# KiCad board Phoenix_Project_No1-TypeH.kicad_pcb (continued)
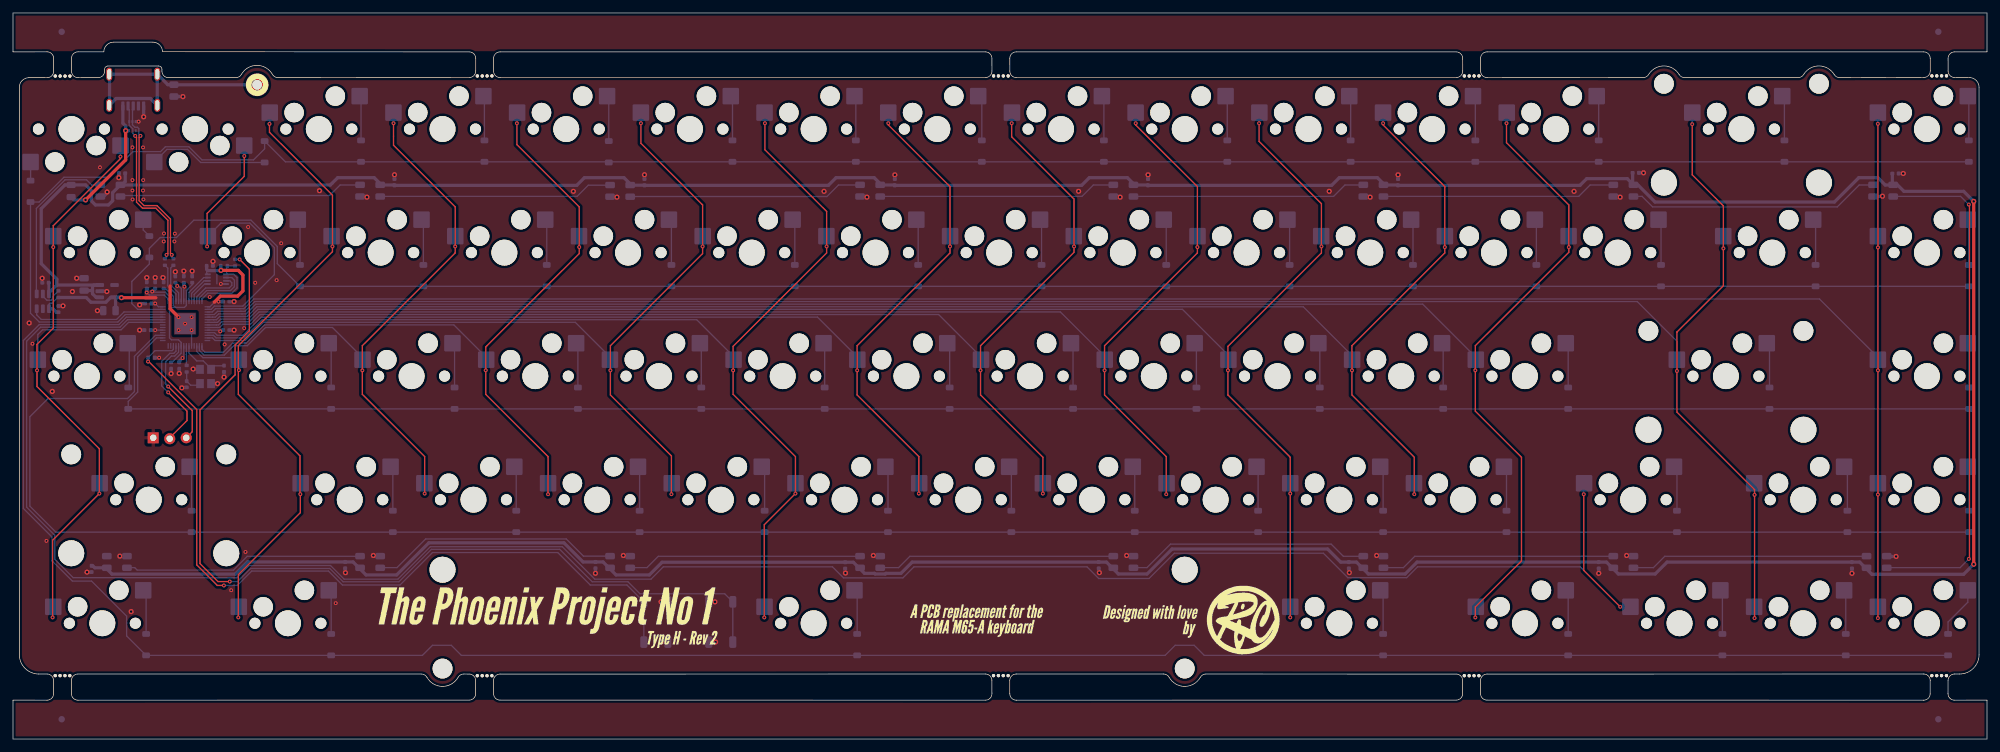
[diagram p0: board, top side]
## Nets
+1V1: C10.1 C11.1 C12.1 U3.23 U3.45 U3.50
+3V3: C1.1 C2.1 C3.1 C4.1 C5.1 C6.1 C8.1 C9.1 C13.1 C14.1 C17.1 C19.1 R4.2 R5.2 R7.1 U1.5 U3.1 U3.10 U3.22 U3.33 U3.42 U3.43 U3.44 U3.48 U3.49 U4.8 U5.1
+5V: C7.1 C18.1 C20.2 C21.2 C22.2 C23.2 C24.2 C25.2 C26.2 C27.2 C28.2 C29.2 C30.2 C31.2 C32.2 C33.2 C34.2 C35.2 D1.1 D2.1 D3.1 D4.1 D5.1 D6.1 D7.1 D8.1 D9.1 D10.1 D11.1 D12.1 D13.1 D14.1 D15.1 D16.1 F1.2 U1.1 U1.3 U5.6
/VBUS: F1.1 J1.1 U2.5
GND: C1.2 C2.2 C3.2 C4.2 C5.2 C6.2 C7.2 C8.2 C9.2 C10.2 C11.2 C12.2 C13.2 C14.2 C15.1 C16.1 C17.2 C18.2 C19.2 C20.1 C21.1 C22.1 C23.1 C24.1 C25.1 C26.1 C27.1 C28.1 C29.1 C30.1 C31.1 C32.1 C33.1 C34.1 C35.1 D1.3 D2.3 D3.3 D4.3 D5.3 D6.3 D7.3 D8.3 D9.3 D10.3 D11.3 D12.3 D13.3 D14.3 D15.3 D16.3 FB1.1 J1.5 J2.1 SW1.2 SW2.2 U1.2 U2.3 U3.19 U3.57 U4.4 Y1.2 Y1.4
GNDPWR: FB1.2 J1.6 J3.1
/D+: J1.3 R3.1 U2.2
/D-: J1.2 R2.1 U2.1
/QSPI_SD0: U3.53 U4.5
/QSPI_SD1: U3.55 U4.2
/QSPI_SD2: U3.54 U4.3
/QSPI_SD3: U3.51 U4.7
/QSPI_SS: R5.1 R6.2 U3.56 U4.1
/RUN: R4.1 SW2.1 U3.26
/SWCLK: J2.3 U3.24
/SWIO: J2.2 U3.25
/USB_BOOT: R6.1 SW1.1
/XIN: C15.2 U3.20 Y1.1
/XOUT: R1.2 U3.21
/~{QSPI_SCLK}: U3.52 U4.6
COL0: SW3.2 SW4.2 SW5.2 SW6.2 SW7.2 U3.36
COL1: SW10.2 SW11.2 U3.2
COL2: SW13.2 SW14.2 SW15.2 SW16.2 SW17.2 U3.17
COL3: SW19.2 SW20.2 SW21.2 SW22.2 U3.16
COL4: SW23.2 SW24.2 SW25.2 SW26.2 U3.15
COL5: SW27.2 SW28.2 SW29.2 SW30.2 U3.13
COL6: SW31.2 SW32.2 SW33.2 SW34.2 SW35.2 U3.12
COL7: SW37.2 SW38.2 SW39.2 SW40.2 U3.11
COL8: SW41.2 SW42.2 SW43.2 SW44.2 U3.9
COL9: SW45.2 SW46.2 SW47.2 SW48.2 U3.8
COL10: SW49.2 SW50.2 SW51.2 SW52.2 SW53.2 U3.7
COL11: SW54.2 SW55.2 SW56.2 SW57.2 U3.6
COL12: SW58.2 SW59.2 SW60.2 SW62.2 U3.5
COL13: SW61.2 SW64.2 U3.37
COL14: SW65.2 SW66.2 SW67.2 SW68.2 SW69.2 U3.4
COL15: SW71.2 SW72.2 SW73.2 SW74.2 SW75.2 U3.3
RGB_IN: U3.40 U5.3
RGB_OUT: D1.4 U5.4
ROW0: D17.1 D22.1 D25.1 D30.1 D34.1 D38.1 D42.1 D47.1 D51.1 D55.1 D59.1 D64.1 D68.1 D75.1 D80.1 U3.39
ROW1: D18.1 D23.1 D26.1 D31.1 D35.1 D39.1 D43.1 D48.1 D52.1 D56.1 D60.1 D65.1 D69.1 D76.1 D81.1 U3.41
ROW2: D19.1 D27.1 D32.1 D36.1 D40.1 D44.1 D49.1 D53.1 D57.1 D61.1 D66.1 D70.1 D77.1 D82.1 U3.30
ROW3: D20.1 D28.1 D33.1 D37.1 D41.1 D45.1 D50.1 D54.1 D58.1 D62.1 D67.1 D71.1 D78.1 D83.1 U3.31
ROW4: D21.1 D29.1 D46.1 D63.1 D72.1 D74.1 D79.1 D84.1 U3.38
Net-(C16-Pad2): C16.2 R1.1 Y1.3
Net-(D1-Pad2): D1.2 D2.4
Net-(D2-Pad2): D2.2 D3.4
Net-(D3-Pad2): D3.2 D4.4
Net-(D4-Pad2): D4.2 D5.4
Net-(D5-Pad2): D5.2 D6.4
Net-(D6-Pad2): D6.2 D7.4
Net-(D7-Pad2): D7.2 D8.4
Net-(D8-Pad2): D8.2 D9.4
Net-(D10-Pad2): D10.2 D11.4
Net-(D10-Pad4): D9.2 D10.4
Net-(D11-Pad2): D11.2 D12.4
Net-(D12-Pad2): D12.2 D13.4
Net-(D13-Pad2): D13.2 D14.4
Net-(D14-Pad2): D14.2 D15.4
Net-(D15-Pad2): D15.2 D16.4
Net-(D17-Pad2): D17.2 SW3.1
Net-(D18-Pad2): D18.2 SW4.1
Net-(D19-Pad2): D19.2 SW5.1
Net-(D20-Pad2): D20.2 SW6.1
Net-(D21-Pad2): D21.2 SW7.1
Net-(D22-Pad2): D22.2 SW10.1
Net-(D23-Pad2): D23.2 SW11.1
Net-(D25-Pad2): D25.2 SW13.1
Net-(D26-Pad2): D26.2 SW14.1
Net-(D27-Pad2): D27.2 SW15.1
Net-(D28-Pad2): D28.2 SW16.1
Net-(D29-Pad2): D29.2 SW17.1
Net-(D30-Pad2): D30.2 SW19.1
Net-(D31-Pad2): D31.2 SW20.1
Net-(D32-Pad2): D32.2 SW21.1
Net-(D33-Pad2): D33.2 SW22.1
Net-(D34-Pad2): D34.2 SW23.1
Net-(D35-Pad2): D35.2 SW24.1
Net-(D36-Pad2): D36.2 SW25.1
Net-(D37-Pad2): D37.2 SW26.1
Net-(D38-Pad2): D38.2 SW27.1
Net-(D39-Pad2): D39.2 SW28.1
Net-(D40-Pad2): D40.2 SW29.1
Net-(D41-Pad2): D41.2 SW30.1
Net-(D42-Pad2): D42.2 SW31.1
Net-(D43-Pad2): D43.2 SW32.1
Net-(D44-Pad2): D44.2 SW33.1
Net-(D45-Pad2): D45.2 SW34.1
Net-(D46-Pad2): D46.2 SW35.1
Net-(D47-Pad2): D47.2 SW37.1
Net-(D48-Pad2): D48.2 SW38.1
Net-(D49-Pad2): D49.2 SW39.1
Net-(D50-Pad2): D50.2 SW40.1
Net-(D51-Pad2): D51.2 SW41.1
Net-(D52-Pad2): D52.2 SW42.1
Net-(D53-Pad2): D53.2 SW43.1
Net-(D54-Pad2): D54.2 SW44.1
Net-(D55-Pad2): D55.2 SW45.1
Net-(D56-Pad2): D56.2 SW46.1
Net-(D57-Pad2): D57.2 SW47.1
Net-(D58-Pad2): D58.2 SW48.1
Net-(D59-Pad2): D59.2 SW49.1
Net-(D60-Pad2): D60.2 SW50.1
Net-(D61-Pad2): D61.2 SW51.1
Net-(D62-Pad2): D62.2 SW52.1
Net-(D63-Pad2): D63.2 SW53.1
Net-(D64-Pad2): D64.2 SW54.1
Net-(D65-Pad2): D65.2 SW55.1
Net-(D66-Pad2): D66.2 SW56.1
Net-(D67-Pad2): D67.2 SW57.1
Net-(D68-Pad2): D68.2 SW58.1
Net-(D69-Pad2): D69.2 SW59.1
Net-(D70-Pad2): D70.2 SW60.1
Net-(D71-Pad2): D71.2 SW61.1
Net-(D72-Pad2): D72.2 SW62.1
Net-(D74-Pad2): D74.2 SW64.1
Net-(D75-Pad2): D75.2 SW65.1
Net-(D76-Pad2): D76.2 SW66.1
Net-(D77-Pad2): D77.2 SW67.1
Net-(D78-Pad2): D78.2 SW68.1
Net-(D79-Pad2): D79.2 SW69.1
Net-(D80-Pad2): D80.2 SW71.1
Net-(D81-Pad2): D81.2 SW72.1
Net-(D82-Pad2): D82.2 SW73.1
Net-(D83-Pad2): D83.2 SW74.1
Net-(D84-Pad2): D84.2 SW75.1
Net-(R2-Pad2): R2.2 U3.46
Net-(R3-Pad2): R3.2 U3.47
Net-(R7-Pad2): R7.2 U5.5

Pads without a net: D16 2; J1 4; U1 4; U2 4; U3 14 18 27 28 29 32 34 35; U4 9; U5 2

## Via types
v1: diameter 0.8, hole 0.4, Top to Bottom, 76 vias
v2: diameter 0.6, hole 0.3, Top to Bottom, 120 vias

## Routing (per net, layer and track width the routed paths; a pad name or vN(x,y) marks a point on that pad's centre or on a via; arc(x,y) is an arc through that point)
+1V1: length 21.1
  Bottom w0.2: 25,66.55 26.4,66.55 26.7,66.85 U3.50 26.7,69.15 27.6,70.05 C12.1 ; 25,66.55 24.4,66.55 24.1,66.25 24.1,61.85 24.4,61.55 25.49,61.55 25.9,61.14 U3.23 25.9,59.48 24.48,58.06 C11.1 ; 25,66.55 24.7,66.85 U3.45 24.7,68.25 23.48,69.47 C10.1 ; C11.1 24.51,58.06 ; C11.1 24.43,58.06
+3V3: length 66.5
  Top w0.5: 31,67.35 31.95,68.3 34.6,68.3 35.4,69.1 35.4,71.55 34.69,72.26 v1(32.02,72.26) ; v1(16.7,68.05) 22,68.05
  Bottom w0.2: v2(21.45,69) 21.56,68.89 23.46,68.89 24.3,68.05 U3.44 ; U5.1 5.55,67.04 5.7,67.19 6,67.19 6.89,68.08 R7.1 ; v2(25.3,69.85) 25,70.15 C13.1 25.92,69.45 25.92,67.51 U3.48 ; v2(21.9,63.05) U3.33 ; U3.42 22.4,66.65 v2(21.9,67.15) ; U3.49 26.3,69.65 v2(26.4,69.75) ; U4.8 29.82,71.83 29.82,72.43 ; v2(31.65,67.45) 31.14,67.45 30.34,66.65 U3.1 ; U3.10 31.73,63.05 v2(31.92,62.86) ; v2(26.1,58.75) 26.3,58.95 U3.22 ; v2(20.6,68.85) 21,68.45 23.3,68.45 23.9,67.85 U3.43
  Bottom w0.5: R5.2 31.99,72.29 v1(32.02,72.26) 31.97,72.22 30.03,72.22 29.82,72.43 C17.1 ; C4.1 v2(31.65,67.45) ; 25.6,58.15 C3.1 25.6,58.25 v2(26.1,58.75) ; C6.1 26.3,69.85 v2(26.4,69.75) ; U1.5 16.65,68.1 v1(16.7,68.05) ; U1.5 15.05,68.1 14.3,67.35 12,67.35 11.27,68.08 R7.1 ; U1.5 15.8,67.94 C8.1 ; C2.1 v2(21.9,67.15) ; R4.2 v2(22.5,58.8) ; C14.1 v2(20.6,68.85) ; U5.1 6.14,66.35 6.68,65.81 C19.1 ; C5.1 32.2,63.05 32.03,62.88 31.94,62.88 v2(31.92,62.86) ; C1.1 v2(21.9,63.05) ; C9.1 21.9,69.45 v2(21.45,69)
+5V: length 708.7
  Top w0.5: v1(301.95,26.95) v1(301.95,82.9)
  Bottom w0.5: 205.8,27.28 206.9,27.28 208.72,25.45 214.4,25.45 216.23,27.28 245.4,27.28 247.22,25.45 252.9,25.45 254.73,27.28 284.39,27.28 286.27,25.4 300.4,25.4 v1(301.95,26.95) ; 12.25,69.1 12.2,69.15 C7.1 ; 12.25,69.1 12.25,69.8 12.45,70 U1.3 6.76,70 ; 12.25,69.1 12.25,68.65 12.8,68.1 U1.1 ; C35.2 12.28,26.71 12.59,26.4 ; 6.76,70 5.55,68.79 U5.6 5.55,70.28 C18.1 ; 6.76,70 6.76,70.89 4.35,73.3 4.35,81.78 8,85.44 F1.2 11.19,85.44 12.07,84.55 12.07,82.98 12.7,82.35 14.7,82.35 15.35,83 15.35,84.25 D1.1 ; D7.1 248.6,86.4 242.35,86.4 241.32,85.37 C25.2 213.25,85.42 211.25,85.42 210.12,86.55 204.25,86.55 203.07,85.37 C24.2 174.75,85.42 172.75,85.42 171.62,86.55 165.75,86.55 164.57,85.37 C23.2 135.75,85.42 133.75,85.42 132.62,86.55 126.75,86.55 125.57,85.37 C22.2 97.22,85.39 95.25,85.39 94.09,86.55 88,86.55 86.82,85.37 C21.2 58.7,85.42 56.75,85.42 55.62,86.55 50,86.55 48.88,85.42 16.75,85.42 17.28,85.95 17.28,87.2 ; C30.2 204.47,27.28 202.45,29.3 178.5,29.3 174.65,25.45 170.22,25.45 168.4,27.28 138.48,27.28 136.75,25.55 134.44,25.55 134.34,25.45 132.76,25.45 132.66,25.55 131.12,25.55 129.42,27.26 99.96,27.26 98,25.3 92.88,25.3 90.88,27.3 89.8,27.3 ; v1(301.95,82.9) 300.4,84.45 291.2,84.45 290.2,85.45 D8.1 ; C27.2 289.42,85.75 289.75,85.42 288.32,85.42 287.2,86.55 284.25,86.55 280.5,82.8 252.88,82.8 250.25,85.42 249.75,85.42 249.42,85.75 C26.2 ; 14.25,26.42 15.25,25.43 34.24,25.43 36.11,27.3 52.38,27.3 54.38,25.3 59.09,25.3 64.04,30.25 84.85,30.25 87.8,27.3 C33.2 ; 12.64,26.4 14.22,26.4
/VBUS: length 20
  Top w0.5: v1(17.35,93.8) 17.35,89.3 v1(11.18,83.12)
  Bottom w0.5: F1.1 9.39,83.12 v1(11.18,83.12) ; J1.1 16.92,94.95 17.35,94.52 v1(17.35,93.8) 17.75,93.8
GND: length 72.4
  Top w0.5: v2(25.5,65.05) 24.2,66.35 24.2,69.85
  Bottom w0.2: U3.19 v2(27.5,63.05) ; U4.4 32.15,70.15 32.05,70.25
  Bottom w0.5: SW1.2 v1(108.2,14.95) ; 172.75,28.17 171.62,28.17 v1(171.5,28.3) ; v1(54.5,83.55) 54.38,83.67 53.25,83.67 ; C21.1 v1(58.75,87) ; 17.75,28.17 16.48,28.17 v1(16.45,28.2) ; v1(14.45,69) 14.4,69.05 U1.2 ; C34.1 51.16,25.69 v1(51.2,25.65) ; v1(99.8,21.15) SW2.2 ; v1(99.8,14.95) SW2.2 ; C25.1 v1(213.3,87) ; C5.2 v1(34.05,63.05) ; C12.2 v1(27.6,72.15) ; C15.1 v1(32.5,55.8) ; C16.1 26.07,54.22 v1(26,54.15) ; v2(26.5,64.05) v2(25.5,63.05) ; v2(26.5,64.05) v2(27.5,65.05) ; v2(26.5,64.05) v2(25.5,65.05) ; v2(26.5,64.05) v2(27.5,63.05) ; 95.25,28.17 94.12,28.17 v1(94,28.3) ; C33.1 v1(89.7,25.55) ; 288.75,28.17 288.77,28.15 v1(290,28.15) ; 133.75,28.17 132.62,28.17 v1(132.5,28.3) ; v1(4.5,71.05) 4.52,71.03 C18.2 ; v1(34.05,67.45) C4.2 ; J1.5 v1(20.12,95.94) ; 249.75,28.17 248.62,28.17 v1(248.5,28.3) ; v1(167.3,25.65) 167.21,25.74 C31.1 ; v1(23.1,71.15) 23.2,71.05 C10.2 ; v1(131.5,83.55) 131.38,83.67 130.25,83.67 ; 286.25,83.67 287.88,83.67 v1(287.9,83.7) ; C14.2 v1(20.6,71.15) ; v2(19.35,95.2) 19,95.2 ; 211.25,28.17 210.12,28.17 v1(210,28.3) ; C28.1 v1(283.2,25.55) ; v1(93,83.55) 92.91,83.64 91.75,83.64 ; C30.1 205.72,25.74 v1(205.8,25.66) ; v1(26.17,99.05) 26.15,99.07 FB1.1 ; v1(55.5,28.3) 55.62,28.17 56.75,28.17 ; D1.3 13.95,83.65 14.5,84.2 v1(14.5,84.35) ; 246.25,83.67 247.38,83.67 v1(247.5,83.55) ; C24.1 v1(174.8,87) ; C32.1 128.16,25.64 v1(128.2,25.59) ; C17.2 30.78,73.63 v1(30.8,73.65) ; v1(27.75,57.05) 27.8,57 Y1.4 ; v1(7.7,66.79) 7.68,66.77 C19.2 ; v1(209,83.55) 208.88,83.67 207.75,83.67 ; 24.35,57.07 v1(24.35,56.35) ; C7.2 v1(9.8,71.05) ; C20.1 16.3,87.23 v1(16.3,86.55) ; C27.1 v1(291.1,87.2) ; Y1.2 v1(31.5,54.8) ; C29.1 v1(244.2,25.55) ; C35.1 12.08,25.73 v1(11.4,25.73) ; C22.1 v1(97.25,87) ; 169.25,83.67 170.38,83.67 v1(170.5,83.55) ; C6.2 v1(26.3,72.15) ; C9.2 v1(21.9,71.15) ; C8.2 v1(13,66.05) ; v1(19.5,66.95) 19.7,67.15 C2.2 ; SW1.2 v1(108.1,21.15) ; C3.2 v1(25.6,56.38) ; C1.2 v1(19.5,63.05) ; C26.1 v1(251.1,87.3) ; C23.1 v1(135.8,87) ; C13.2 v1(25,72.05)
  vias: v1(2.5,64.15) v1(6.05,53.6) v1(9.15,69) v1(18.2,19.65) v1(47.2,84.55) v1(86.3,84.45) v1(124.9,84.45) v1(164.1,84.45) v1(202.7,84.45) v1(240.4,84.45) v2(3,60.95) v2(5.15,30.55) v2(13.4,88.15) v2(18.4,91.22) v2(18.4,86.17) v2(18.4,84.58) v2(18.43,83.2) v2(20.02,91.22) v2(20.02,84.58) v2(20.05,86.17) v2(20.07,83.2) v2(23.25,77.95) v2(23.23,76.72) v2(24.85,76.73) v2(24.93,77.92) v2(30.3,68.15) v2(32.02,70.17) v2(32.6,60.85) v2(33.6,22.95) v2(35.6,63.35) v2(35.8,28.85) v2(36.2,78.95) v2(37.3,70.35) v2(40.6,70.75) v2(41.3,76.45) v2(49.7,20.95)
GNDPWR: length 41.3
  Bottom w0.5: 22.17,102.51 14.87,102.51 14.87,97.76 J1.6 15.87,98.76 21.17,98.76 J1.6 ; 22.17,102.51 J1.6 23.84,100.89 FB1.2 24.8,100.88 J3.1 ; 22.17,102.51 22.22,102.46 22.22,97.76
/D+: length 27.8
  Top w0.2: v2(19.63,93) 19.43,92.8 19.43,83 20.18,82.25 22.16,82.25 24.25,80.17 24.25,74.85 v2(24.45,74.65)
  Bottom w0.2: R3.1 24.45,74.31 v2(24.45,74.65) ; v2(19.63,93) 19.38,93.25 19.38,94.12 19.18,94.33 18.77,94.33 18.4,94.7 U2.2 18.4,97.09 18.52,97.21 J1.3
/D-: length 27.5
  Top w0.2: v2(18.83,92.99) 19.03,92.79 19.03,82.77 19.95,81.85 22,81.85 23.85,80 23.85,74.85 v2(23.65,74.65)
  Bottom w0.2: v2(23.65,74.65) 23.65,74.31 R2.1 ; v2(18.83,92.99) 18.45,93.36 18.45,94.09 17.9,94.64 U2.1 17.9,97.03 17.72,97.21 J1.2
/QSPI_SD0: length 3.8
  Bottom w0.2: U4.5 29.5,70.15 27.9,68.55 U3.53
/QSPI_SD1: length 9.1
  Bottom w0.2: U3.55 28.7,68.02 29.83,69.15 33.5,69.15 34.1,69.75 34.1,70.75 33.7,71.15 U4.2
/QSPI_SD2: length 8.3
  Bottom w0.2: U4.3 33.4,70.65 33.7,70.35 33.7,69.95 33.3,69.55 29.67,69.55 28.3,68.18 U3.54
/QSPI_SD3: length 5.2
  Bottom w0.2: U4.7 29.37,71.15 27.1,68.88 U3.51
/QSPI_SS: length 12.6
  Bottom w0.2: U3.56 29.1,67.85 30,68.75 33.7,68.75 34.5,69.55 34.5,71.15 34,71.65 U4.1 32.9,71.75 32.9,72.84 R5.1 34.19,72.95 R6.2
/RUN: length 123.5
  Top w0.2: v2(20.8,58.2) 20.9,58.2 28.3,50.8 28.3,26.85 31.47,23.68 v2(32.48,23.68)
  Bottom w0.2: v2(20.8,58.2) 20.79,58.21 R4.1 21.87,59.88 24.49,59.88 24.7,60.08 U3.26 ; SW2.1 SW2.1 94.55,23.75 88.9,23.75 83.9,28.75 64.6,28.75 59.6,23.75 50.74,23.75 48.59,25.9 36.77,25.9 34.55,23.68 32.48,23.68 v2(32.48,23.68)
/SWCLK: length 17.4
  Top w0.2: v2(23.9,54.35) 27.6,50.65 27.6,47.37 J2.3
  Bottom w0.2: U3.24 25.5,59.65 24.9,59.05 24.4,59.05 23.5,58.15 23.5,54.75 v2(23.9,54.35)
/SWIO: length 18.1
  Top w0.2: 24.14,46.45 26.8,49.11 26.8,50.55 v2(23.9,53.45)
  Bottom w0.2: U3.25 25.1,59.81 24.77,59.48 24.16,59.48 22.9,58.21 22.9,54.45 v2(23.9,53.45)
/USB_BOOT: length 148.2
  Top w0.2: v2(34.9,73.95) 36.4,72.45 36.4,62.95 34.2,60.75 34.2,56.15 28.8,50.75 28.8,27.05 31.57,24.28 v2(33.38,24.28)
  Bottom w0.2: v2(34.9,73.95) 34.21,73.95 R6.1 ; 110.85,14.65 SW1.1 109.6,22.4 96.55,22.4 94.7,24.25 89.2,24.25 84.2,29.25 64.43,29.25 59.44,24.25 50.84,24.25 48.79,26.3 36.6,26.3 34.58,24.28 v2(33.38,24.28)
/XIN: length 7.8
  Bottom w0.2: U3.20 27.1,59.5 28.3,58.3 29.3,58.3 30.5,57.1 Y1.1 31.05,57.55 32.47,57.55 C15.2
/XOUT: length 3
  Bottom w0.2: U3.21 26.7,59.3 26.7,59.3 26.7,57.66 R1.2
/~{QSPI_SCLK}: length 4.5
  Bottom w0.2: U3.52 27.5,68.71 29.44,70.65 U4.6
COL0: length 115.6
  Top w0.2: v2(6.1,18.75) 6.1,30.65 v2(13.3,37.85) 13.3,44.75 3.7,54.35 v2(3.7,56.85) 3.7,60.85 6.2,63.35 v2(6.2,75.85) 6.2,79.15 16.55,89.5 v2(16.55,89.8)
  Bottom w0.2: U3.36 17.8,64.25 16.65,63.1 4.55,63.1 3.82,62.37 SW5.2 3.7,58.37 v2(3.7,56.85) ; v2(6.1,18.75) 6.1,20.29 SW7.2 ; v2(6.2,75.85) 6.2,77.54 SW4.2 ; SW3.2 16.56,89.81 v2(16.55,89.8) ; v2(13.3,37.85) 13.3,39.39 SW6.2
COL1: length 48.9
  Top w0.2: v2(35.62,89.9) 35.62,86.77 29.9,81.05 v2(29.9,75.95)
  Bottom w0.2: v2(29.9,75.95) 29.9,77.42 SW11.2 32.02,79.55 36.48,79.55 40.25,75.78 40.25,71.6 35.4,66.75 31.02,66.75 30.52,66.25 U3.2 ; v2(35.62,89.9) 35.61,89.91 SW10.2
COL2: length 110.4
  Top w0.2: v2(39.5,94.85) 39.5,93.55 49.2,83.85 v2(49.2,75.95) 49.2,75.15 34.7,60.65 34.7,56.99 v2(34.8,56.89) 34.7,56.79 34.7,53.15 44.2,43.65 44.2,37.81 v2(44.25,37.76) 44.25,34.9 34.7,25.35 v2(34.7,18.75)
  Bottom w0.2: v2(49.2,75.95) 49.2,77.41 SW14.2 ; SW17.2 34.7,20.31 v2(34.7,18.75) ; v2(44.25,37.76) 44.25,39.39 SW16.2 ; U3.17 28.3,59.75 29.25,58.8 34.47,58.8 SW15.2 34.78,56.91 v2(34.8,56.89) ; SW13.2 39.54,94.89 v2(39.5,94.85)
COL3: length 107.6
  Top w0.2: v2(58.6,94.95) 58.6,91.55 68.1,82.05 v2(68.1,75.95) 68.1,74.95 53.8,60.65 v2(53.8,56.85) 53.8,53.15 63.4,43.55 v2(63.4,37.85)
  Bottom w0.2: v2(58.6,94.95) 58.59,94.96 SW19.2 ; SW22.2 63.4,39.39 v2(63.4,37.85) ; U3.16 28.7,59.91 29.41,59.2 32.55,59.2 34,60.65 36.08,60.65 38.89,63.46 49.19,63.46 53.83,58.82 SW21.2 53.8,58.46 v2(53.8,56.85) ; v2(68.1,75.95) 68.1,77.53 68.12,77.54
COL4: length 126.5
  Top w0.2: v2(82.4,37.75) 82.4,43.55 72.8,53.15 v2(72.8,56.85) 72.8,60.45 87.2,74.85 v2(87.2,75.85) 87.2,82.05 77.6,91.65 v2(77.6,94.95)
  Bottom w0.2: v2(82.4,37.75) 82.4,39.44 SW26.2 ; SW24.2 87.2,77.5 v2(87.2,75.85) ; v2(77.6,94.95) 77.64,94.99 SW23.2 ; v2(72.8,56.85) 72.8,58.41 SW25.2 72.85,58.52 72.85,58.9 67.9,63.85 38.72,63.85 35.92,61.05 35.7,61.05 35.69,61.05 33.83,61.05 32.42,59.65 29.55,59.65 29.1,60.1 U3.15
COL5: length 143.5
  Top w0.2: v2(101.4,37.75) 101.4,43.65 92,53.05 v2(92,56.85) 92,60.65 106.2,74.85 v2(106.2,75.95) 106.2,82.35 96.7,91.85 v2(96.7,94.95)
  Bottom w0.2: SW27.2 96.69,94.96 v2(96.7,94.95) ; v2(101.4,37.75) 101.4,39.39 SW30.2 ; v2(92,56.85) 92,58.42 SW29.2 91.93,58.92 86.6,64.25 38.55,64.25 35.75,61.45 35.18,61.45 31.12,61.45 30.72,61.85 U3.13 ; v2(106.2,75.95) 106.2,77.53 SW28.2
COL6: length 185.5
  Top w0.2: v2(115.7,18.75) 115.7,33.05 v2(120.5,37.85) 120.5,43.55 110.9,53.15 v2(110.9,56.85) 110.9,60.55 125.3,74.95 v2(125.3,75.95) 125.3,81.35 115.8,90.85 v2(115.8,94.95)
  Bottom w0.2: v2(115.7,18.75) 115.7,20.35 SW35.2 ; v2(125.3,75.95) 125.3,77.5 SW32.2 ; v2(110.9,56.85) 110.9,58.41 SW33.2 110.98,58.97 105.3,64.65 38.39,64.65 35.59,61.85 34.96,61.85 31.29,61.85 30.89,62.25 U3.12 ; v2(120.5,37.85) 120.5,39.44 SW34.2 ; v2(115.8,94.95) 115.74,95.01 SW31.2
COL7: length 181.8
  Top w0.2: v2(134.8,94.95) 134.8,94.68 144.3,85.18 v2(144.3,75.95) 144.3,74.95 130,60.65 v2(130,56.85) 130,53.05 139.5,43.55 v2(139.5,37.85)
  Bottom w0.2: v2(130,56.85) 130,58.46 SW39.2 130.03,58.92 123.9,65.05 38.22,65.05 35.42,62.25 31.45,62.25 31.05,62.65 U3.11 ; SW38.2 144.3,77.53 v2(144.3,75.95) ; SW40.2 139.5,39.39 v2(139.5,37.85) ; v2(134.8,94.95) 134.79,94.96 SW37.2
COL8: length 200.6
  Top w0.2: v2(153.8,94.95) 153.8,92.85 163.4,83.25 v2(163.4,75.95) 163.4,75.05 149,60.65 v2(149,56.85) 149,53.05 158.6,43.45 v2(158.6,37.85)
  Bottom w0.2: SW44.2 158.6,39.44 v2(158.6,37.85) ; v2(149,56.85) 149,58.41 SW43.2 149.08,58.92 142.55,65.45 38.06,65.45 36.56,63.95 35.93,63.95 35.93,63.95 32.32,63.95 31.83,63.45 31.48,63.45 31.47,63.45 U3.9 ; SW41.2 153.84,94.99 v2(153.8,94.95) ; SW42.2 163.4,77.5 v2(163.4,75.95)
COL9: length 220.1
  Top w0.2: v2(177.6,37.75) 177.6,43.55 168.1,53.05 v2(168.1,56.85) 168.1,60.65 182.4,74.95 v2(182.4,75.85) 182.4,85.18 172.9,94.68 v2(172.9,94.95)
  Bottom w0.2: U3.8 31.31,63.85 31.31,63.85 31.66,63.85 32.16,64.35 35.76,64.35 35.76,64.35 36.39,64.35 37.89,65.85 161.3,65.85 168.13,59.02 SW47.2 168.1,58.46 v2(168.1,56.85) ; SW48.2 177.6,39.39 v2(177.6,37.75) ; SW45.2 172.89,94.96 v2(172.9,94.95) ; v2(182.4,75.85) 182.4,77.53 SW46.2
COL10: length 260
  Top w0.2: v2(191.9,94.95) 191.9,92.15 201.5,82.55 v2(201.5,75.95) 201.5,74.95 187.1,60.55 v2(187.1,56.85) 187.1,53.05 196.7,43.45 v2(196.7,37.85) v2(196.7,18.75)
  Bottom w0.2: SW49.2 191.94,94.99 v2(191.9,94.95) ; SW52.2 196.7,39.44 v2(196.7,37.85) ; U3.7 31.07,64.25 31.07,64.25 31.5,64.25 31.99,64.75 35.6,64.75 35.6,64.75 36.23,64.75 37.73,66.25 180.1,66.25 187.18,59.17 SW51.2 187.1,58.41 v2(187.1,56.85) ; v2(196.7,18.75) 196.7,20.39 SW53.2 ; v2(201.5,75.95) 201.5,77.5 SW50.2
COL11: length 258.6
  Top w0.2: v2(211,94.95) 211,94.68 220.5,85.18 v2(220.5,75.85) 220.5,74.95 206.2,60.65 v2(206.2,56.85) 206.2,53.05 215.8,43.45 v2(215.8,37.75)
  Bottom w0.2: v2(206.2,56.85) 206.2,58.46 SW56.2 206.23,59.12 198.7,66.65 37.56,66.65 36.06,65.15 35.43,65.15 35.43,65.15 31.83,65.15 31.33,64.65 30.91,64.65 U3.6 ; v2(220.5,75.85) 220.5,77.53 SW55.2 ; v2(215.8,37.75) 215.8,39.39 SW57.2 ; SW54.2 210.99,94.96 v2(211,94.95)
COL12: length 298.7
  Top w0.2: v2(230,94.95) 230,91.95 239.6,82.35 v2(239.6,75.85) 239.6,75.05 225.2,60.65 v2(225.2,56.85) 225.2,50.55 232.31,43.44 232.31,27.46 225.2,20.35 v2(225.2,18.75)
  Bottom w0.2: v2(225.2,18.75) 225.2,20.31 SW62.2 ; SW59.2 239.6,77.5 v2(239.6,75.85) ; U3.5 30.74,65.05 31.16,65.05 31.66,65.55 35.27,65.55 35.27,65.55 35.9,65.55 37.4,67.05 217.1,67.05 225.28,58.87 SW60.2 225.2,58.41 v2(225.2,56.85) ; SW58.2 230.04,94.99 v2(230,94.95)
COL13: length 338.1
  Top w0.2: v2(241.9,37.75) 241.9,26 v2(247.51,20.39)
  Bottom w0.2: U3.37 17.63,64.65 16.48,63.5 4.25,63.5 2.1,61.35 2.1,35.75 6.45,31.4 6.45,27.7 9.27,24.88 34.47,24.88 34.51,24.92 36.34,26.75 48.9,26.75 51,24.65 59.27,24.65 64.27,29.65 84.6,29.65 89.6,24.65 98.25,24.65 100.15,26.55 126.2,26.55 127.9,24.85 137.05,24.85 138.75,26.55 165.4,26.55 167.2,24.75 174.95,24.75 178.85,28.65 201.8,28.65 205.57,24.88 214.63,24.88 216.3,26.55 241.35,26.55 v2(247.51,20.39) SW64.2 ; v2(241.9,37.75) 241.9,39.39 SW61.2
COL14: length 327.6
  Top w0.2: v2(268.2,18.65) v2(268.2,37.65) 268.2,38.45 256.25,50.4 v2(256.25,56.75) 256.25,62.75 263.4,69.9 v2(263.4,75.65) 263.4,82.2 258.6,87 v2(258.6,94.8)
  Bottom w0.2: v2(268.2,18.65) 268.2,20.33 SW69.2 ; SW68.2 268.2,39.38 v2(268.2,37.65) ; SW65.2 258.62,94.81 v2(258.6,94.8) ; v2(256.25,56.75) 256.25,58.47 SW67.2 256.23,61.35 250.13,67.45 37.23,67.45 35.73,65.95 35.1,65.95 35.1,65.95 31.5,65.95 31,65.45 U3.4 ; v2(263.4,75.65) 263.4,77.52 SW66.2
COL15: length 347
  Top w0.2: v2(287.2,18.65) v2(287.2,37.7) v2(287.2,56.85) v2(287.2,75.8) 287.2,94.85 v2(287.19,94.86)
  Bottom w0.2: SW75.2 287.2,20.38 v2(287.2,18.65) ; SW71.2 v2(287.19,94.86) ; U3.3 30.69,65.85 31.19,66.35 34.94,66.35 35.57,66.35 37.06,67.85 278.2,67.85 287.19,58.86 SW73.2 287.2,58.48 v2(287.2,56.85) ; SW74.2 287.2,39.43 v2(287.2,37.7) ; v2(287.2,75.8) 287.2,77.53 SW72.2
RGB_IN: length 21.1
  Bottom w0.2: U5.3 3.65,65.4 4.35,64.7 15.95,64.7 17.1,65.85 U3.40
RGB_OUT: length 24.9
  Bottom w0.2: 13.25,85.42 12.12,85.42 11.32,86.22 8.01,86.22 3.6,81.81 3.6,68.67
ROW0: length 344.7
  Bottom w0.2: U3.39 17.3,65.45 16.15,64.3 4.05,64.3 2.7,65.65 D17.1 4.03,82.8 7.85,86.62 14.53,86.62 18.48,90.57 22.72,90.57 23.47,91.32 27.08,91.32 29.1,89.3 37.05,89.3 38.75,91 D22.1 41.95,89 D25.1 D30.1 91.65,89 D34.1 91.85,89 D38.1 D42.1 D47.1 D51.1 D55.1 D59.1 D64.1 D68.1 D75.1 D80.1
ROW1: length 302.5
  Bottom w0.2: D81.1 D76.1 D69.1 D65.1 D60.1 D56.1 D52.1 D48.1 D43.1 D39.1 D35.1 D31.1 D26.1 D23.1 40.7,73.3 40.7,75.95 36.65,80 27.85,80 25.17,77.33 22.68,77.33 21,75.65 D18.1 21,73.25 18.3,70.55 18.3,67.15 19.2,66.25 U3.41
ROW2: length 297.2
  Bottom w0.2: U3.30 22.1,61.85 19.2,58.95 19.2,53.5 17.75,52.05 D19.1 D27.1 D32.1 D36.1 D40.1 D44.1 D49.1 D53.1 D57.1 D61.1 D66.1 D70.1 D77.1 D82.1
ROW3: length 343
  Bottom w0.2: U3.31 21.94,62.25 18.7,59.01 18.7,53.56 17.64,52.5 5.4,52.5 2.6,49.7 2.6,35.9 6.6,31.9 D20.1 D28.1 D33.1 D37.1 D41.1 D45.1 D50.1 D54.1 D58.1 D62.1 D67.1 D71.1 D78.1 D83.1
ROW4: length 361.1
  Bottom w0.2: U3.38 17.46,65.05 16.31,63.9 4.05,63.9 1.6,61.45 1.6,35.55 6,31.15 6,27.5 9.15,24.35 12.1,24.35 17.5,18.95 17.5,15.9 D21.1 D29.1 63.05,12.9 64.6,14.45 67.5,14.45 69.05,12.9 D46.1 177.43,12.9 178.97,14.45 181.9,14.45 183.45,12.9 D63.1 D72.1 D74.1 D79.1 D84.1
Net-(C16-Pad2): length 3.8
  Bottom w0.2: R1.1 C16.2 27.38,54.55 28.55,54.55 Y1.3
Net-(D1-Pad2): length 37.2
  Bottom w0.2: 53.25,85.42 50.38,85.42 48.75,83.8 16.88,83.8 16.75,83.67
Net-(D2-Pad2): length 35.7
  Bottom w0.2: 56.75,83.67 86.88,83.67 88.59,85.39 91.75,85.39
Net-(D3-Pad2): length 35.7
  Bottom w0.2: 95.25,83.64 125.34,83.64 127.12,85.42 130.25,85.42
Net-(D4-Pad2): length 36.2
  Bottom w0.2: 169.25,85.42 166.38,85.42 164.62,83.67 133.75,83.67
Net-(D5-Pad2): length 35.7
  Bottom w0.2: 172.75,83.67 203.38,83.67 205.12,85.42 207.75,85.42
Net-(D6-Pad2): length 35.7
  Bottom w0.2: 246.25,85.42 242.88,85.42 241.12,83.67 211.25,83.67
Net-(D7-Pad2): length 38.6
  Bottom w0.2: 249.75,83.67 250.88,83.67 252.5,82.05 280.94,82.05 284.31,85.42 286.25,85.42
Net-(D8-Pad2): length 79.7
  Top w0.2: v2(301.2,82.41) 301.3,82.3 301.3,27.87 v2(301.2,27.77)
  Bottom w0.2: 288.75,26.42 299.86,26.42 v2(301.2,27.77) ; v2(301.2,82.41) 299.93,83.67 289.75,83.67
Net-(D10-Pad2): length 35.7
  Bottom w0.2: 211.25,26.42 214.12,26.42 215.88,28.17 246.25,28.17
Net-(D10-Pad4): length 36.2
  Bottom w0.2: 249.75,26.42 252.62,26.42 254.38,28.17 285.25,28.17
Net-(D11-Pad2): length 37.3
  Bottom w0.2: 207.75,28.17 204.88,28.17 203,30.05 178.25,30.05 174.62,26.42 172.75,26.42
Net-(D12-Pad2): length 36.2
  Bottom w0.2: 169.25,28.17 138.12,28.17 136.38,26.42 133.75,26.42
Net-(D13-Pad2): length 35.7
  Bottom w0.2: 95.25,26.42 97.62,26.42 99.38,28.17 130.25,28.17
Net-(D14-Pad2): length 38.1
  Bottom w0.2: D14.2 87.85,28.2 85.2,30.85 63.55,30.85 59.12,26.42 56.75,26.42
Net-(D15-Pad2): length 36.5
  Bottom w0.2: 17.75,26.42 18.75,26.42 19.12,26.05 33.95,26.05 36.08,28.17 53.25,28.17
Net-(D17-Pad2): length 2.9
  Bottom w0.2: SW3.1 2.71,86.21 2.6,86.1
Net-(D18-Pad2): length 2.9
  Bottom w0.2: D18.2 20.05,78.5 SW4.1
Net-(D19-Pad2): length 7
  Bottom w0.2: D19.2 17.9,54.35 17.9,60.8 SW5.1
Net-(D20-Pad2): length 6.9
  Bottom w0.2: D20.2 27.5,41.68 SW6.1
Net-(D21-Pad2): length 6.9
  Bottom w0.2: SW7.1 20.5,22.48 D21.2
Net-(D22-Pad2): length 18.6
  Bottom w0.2: SW10.1 23.71,90.92 26.88,90.92 28.9,88.9 D22.2
Net-(D23-Pad2): length 7.1
  Bottom w0.2: D23.2 44.2,79.75 SW11.1
Net-(D25-Pad2): length 6.9
  Bottom w0.2: D25.2 53.6,98.92 SW13.1
Net-(D26-Pad2): length 7.1
  Bottom w0.2: SW14.1 63.2,79.8 D26.2
Net-(D27-Pad2): length 7
  Bottom w0.2: D27.2 49,60.66 SW15.1
Net-(D28-Pad2): length 6.9
  Bottom w0.2: SW16.1 58.5,41.63 D28.2
Net-(D29-Pad2): length 6.9
  Bottom w0.2: D29.2 49,22.56 SW17.1
Net-(D30-Pad2): length 7
  Bottom w0.2: SW19.1 72.6,98.97 72.6,92.2
Net-(D31-Pad2): length 7.1
  Bottom w0.2: SW20.1 82.2,79.84 D31.2
Net-(D32-Pad2): length 7
  Bottom w0.2: SW21.1 68,60.71 D32.2
Net-(D33-Pad2): length 6.9
  Bottom w0.2: SW22.1 77.5,41.68 D33.2
Net-(D34-Pad2): length 7
  Bottom w0.2: D34.2 91.75,98.87 SW23.1
Net-(D35-Pad2): length 7.1
  Bottom w0.2: D35.2 101.4,79.69 SW24.1
Net-(D36-Pad2): length 6.9
  Bottom w0.2: SW25.1 87,60.76 D36.2
Net-(D37-Pad2): length 6.9
  Bottom w0.2: SW26.1 96.5,41.73 D37.2
Net-(D38-Pad2): length 6.9
  Bottom w0.2: D38.2 110.8,98.87 SW27.1
Net-(D39-Pad2): length 7.1
  Bottom w0.2: D39.2 120.4,79.75 120.06,80.08
Net-(D40-Pad2): length 6.9
  Bottom w0.2: SW29.1 106,60.81 D40.2
Net-(D41-Pad2): length 7
  Bottom w0.2: D41.2 115.75,41.53 SW30.1
Net-(D42-Pad2): length 6.9
  Bottom w0.2: SW31.1 129.8,98.92 D42.2
Net-(D43-Pad2): length 7.1
  Bottom w0.2: D43.2 139.4,79.8 SW32.1
Net-(D44-Pad2): length 6.9
  Bottom w0.2: SW33.1 125,60.86 D44.2
Net-(D45-Pad2): length 6.9
  Bottom w0.2: SW34.1 134.75,41.58 D45.2
Net-(D46-Pad2): length 6.9
  Bottom w0.2: D46.2 130,22.52 SW35.1
Net-(D47-Pad2): length 7.1
  Bottom w0.2: SW37.1 149.2,98.57 D47.2
Net-(D48-Pad2): length 7.1
  Bottom w0.2: SW38.1 158.4,79.84 D48.2
Net-(D49-Pad2): length 7
  Bottom w0.2: SW39.1 144.25,60.66 D49.2
Net-(D50-Pad2): length 6.9
  Bottom w0.2: SW40.1 153.75,41.63 D50.2
Net-(D51-Pad2): length 7
  Bottom w0.2: D51.2 168,98.82 SW41.1
Net-(D52-Pad2): length 7.1
  Bottom w0.2: D52.2 177.6,79.69 SW42.1
Net-(D53-Pad2): length 7
  Bottom w0.2: SW43.1 163.25,60.71 D53.2
Net-(D54-Pad2): length 6.9
  Bottom w0.2: SW44.1 172.75,41.68 D54.2
Net-(D55-Pad2): length 6.9
  Bottom w0.2: SW45.1 187,98.87 D55.2
Net-(D56-Pad2): length 7.1
  Bottom w0.2: D56.2 196.6,79.75 SW46.1
Net-(D57-Pad2): length 6.9
  Bottom w0.2: D57.2 182.25,60.76 SW47.1
Net-(D58-Pad2): length 6.9
  Bottom w0.2: D58.2 191.75,41.73 SW48.1
Net-(D59-Pad2): length 6.9
  Bottom w0.2: SW49.1 206,98.92 D59.2
Net-(D60-Pad2): length 7.1
  Bottom w0.2: SW50.1 215.6,79.8 D60.2
Net-(D61-Pad2): length 6.9
  Bottom w0.2: SW51.1 201.25,60.81 D61.2
Net-(D62-Pad2): length 7
  Bottom w0.2: SW52.1 211,41.53 D62.2
Net-(D63-Pad2): length 6.9
  Bottom w0.2: D63.2 211,22.48 SW53.1
Net-(D64-Pad2): length 7
  Bottom w0.2: D64.2 225.2,98.77 SW54.1
Net-(D65-Pad2): length 7.1
  Bottom w0.2: SW55.1 234.6,79.84 D65.2
Net-(D66-Pad2): length 6.9
  Bottom w0.2: D66.2 220.25,60.86 SW56.1
Net-(D67-Pad2): length 6.9
  Bottom w0.2: SW57.1 230,41.58 D67.2
Net-(D68-Pad2): length 7
  Bottom w0.2: D68.2 244.2,98.82 SW58.1
Net-(D69-Pad2): length 7.1
  Bottom w0.2: SW59.1 253.8,79.69 D69.2
Net-(D70-Pad2): length 7
  Bottom w0.2: D70.2 239.5,60.66 SW60.1
Net-(D71-Pad2): length 7
  Bottom w0.2: D71.2 256.25,41.53 SW61.1
Net-(D72-Pad2): length 6.9
  Bottom w0.2: SW62.1 239.5,22.56 D72.2
Net-(D74-Pad2): length 6.9
  Bottom w0.2: SW64.1 263.25,22.62 D74.2
Net-(D75-Pad2): length 7
  Bottom w0.2: 272.46,99.13 272.8,98.8 D75.2
Net-(D76-Pad2): length 7.1
  Bottom w0.2: D76.2 277.6,79.71 SW66.1
Net-(D77-Pad2): length 7
  Bottom w0.2: D77.2 270.5,60.61 SW67.1
Net-(D78-Pad2): length 7
  Bottom w0.2: D78.2 282.5,41.47 SW68.1
Net-(D79-Pad2): length 6.8
  Bottom w0.2: D79.2 282.25,22.67 SW69.1
Net-(D80-Pad2): length 6.9
  Bottom w0.2: D80.2 301.2,98.97 SW71.1
Net-(D81-Pad2): length 7
  Bottom w0.2: SW72.1 301.2,79.92 D81.2
Net-(D82-Pad2): length 6.9
  Bottom w0.2: SW73.1 301.25,60.82 D82.2
Net-(D83-Pad2): length 6.9
  Bottom w0.2: SW74.1 301.25,41.77 D83.2
Net-(D84-Pad2): length 8
  Bottom w0.2: SW75.1 301.04,21.09 298,18.05 D84.2
Net-(R2-Pad2): length 6.3
  Bottom w0.2: R2.2 23.84,72.6 23.84,69.89 25.1,68.63 U3.46
Net-(R3-Pad2): length 6.2
  Bottom w0.2: U3.47 25.5,68.8 24.29,70.01 24.29,72.63 R3.2
Net-(R7-Pad2): length 3.8
  Bottom w0.2: U5.5 4.6,68.28 5.21,67.66 5.89,67.66 6.15,67.93 6.15,68.25 R7.2

## Copper pours and planes (outline as drawn; the poured copper is in the pictures)
+3V3 on Top: 26.75,67.68 32,67.68 32,59.68 26.5,59.68 26.5,58.43 21.5,58.43 21.5,67.68 20.25,67.68 20.25,69.18 23.5,69.18 23.5,67.68 24.9,67.68 24.9,69.78 26.75,69.78
GND on Top: 308.5,104.05 308,7.05 -3,8.05 -3,104.05
GND on Top: 28.2,62.35 24.8,62.35 24.8,65.75 28.2,65.75
GND on Bottom: 309,7.05 -4,8.05 -4,104.05 309,104.05
(no net) on Top, Bottom: 304.25,-4.95 -2.75,-4.95 -2.75,6.05 304.25,6.05
(no net) on Top, Bottom: 306.01,106.06 -1.99,106.06 -1.99,117.06 306.01,117.06

## Text on the board
B.Silkscreen: GND | SWIO | SWCLK | Stepped / CapsLock | 1.5u / LCtrl | ANSI / LShift | ANSI LShift Stabs | 1.5u / LAlt | BOOTSEL | RESET | 7u Space Stabs | ANSI / Enter | ANSI Enter Stabs | BackSpace Stabs | BackSpace
